# Altium PCB PCB1.PcbDoc
Units mm, origin at the board's own origin, x right, y up, seen from the top; angles counter-clockwise.
Board outline 85.3 x 54.3 mm, 2 copper layers (Top Layer, Bottom Layer), stack 1.82 mm thick; 44 components, 25 nets, 99 pads, 5 vias.
Unrouted connection lines stored in the file: 8.
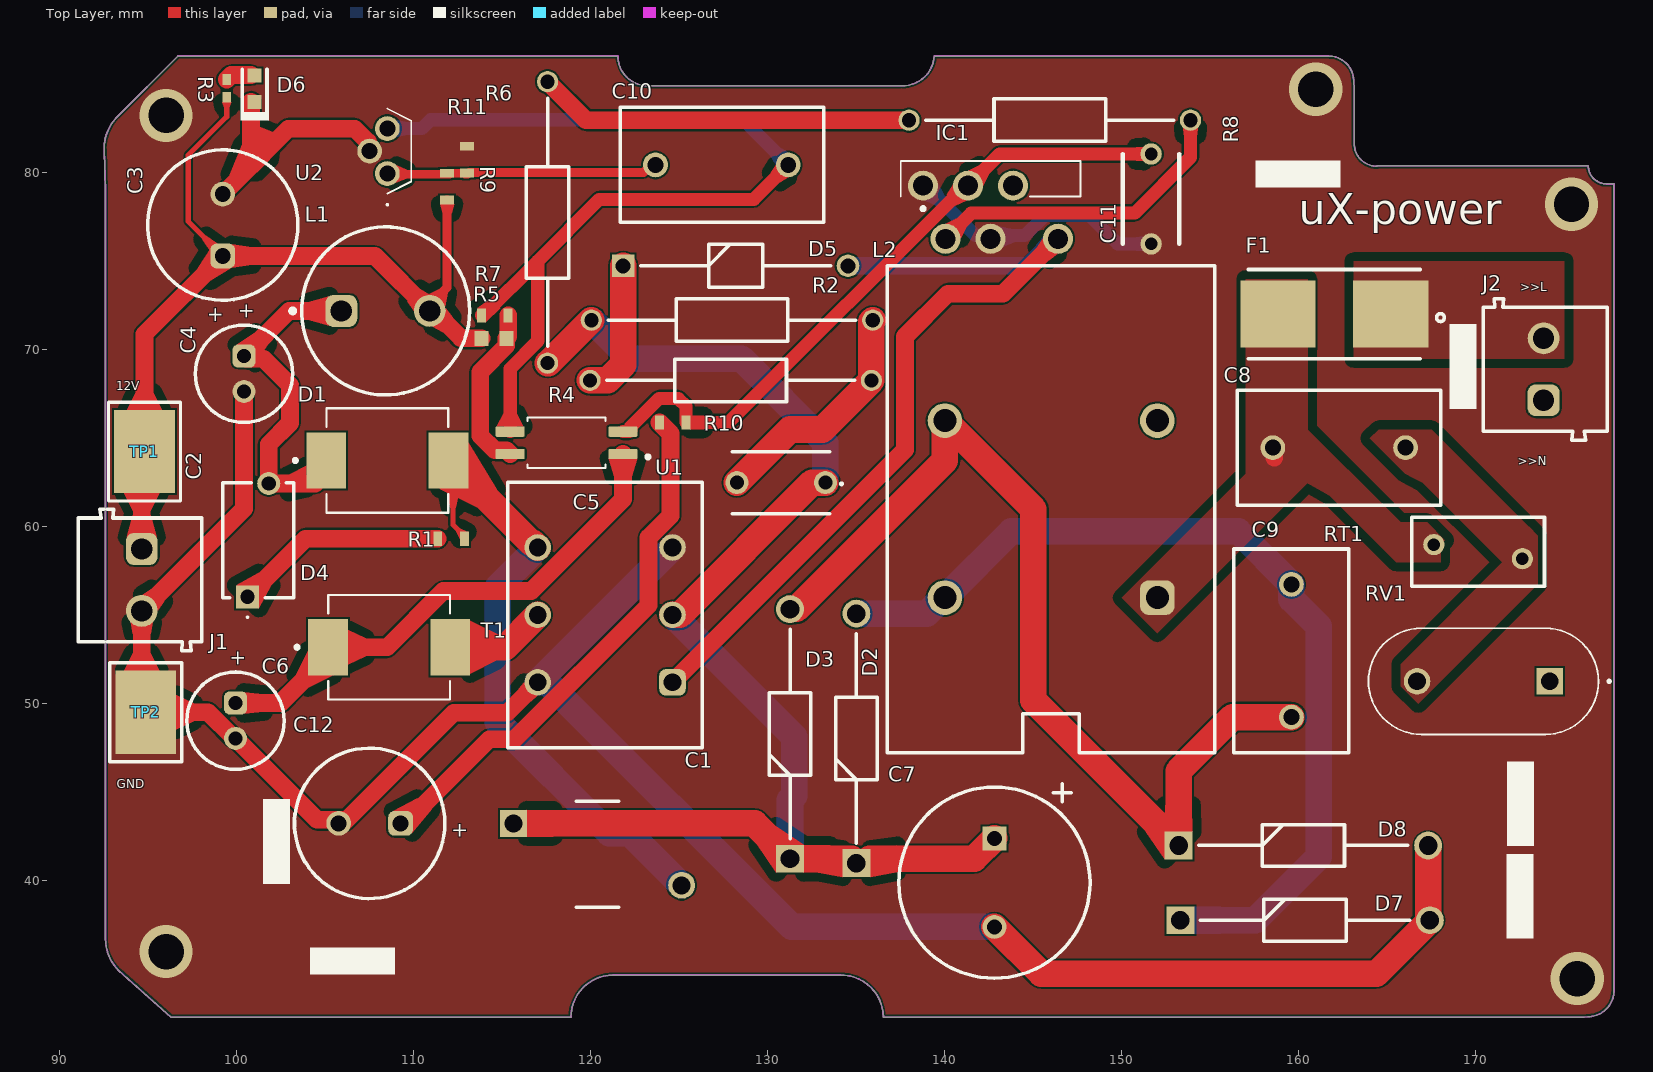
[diagram p0: Top Layer view]
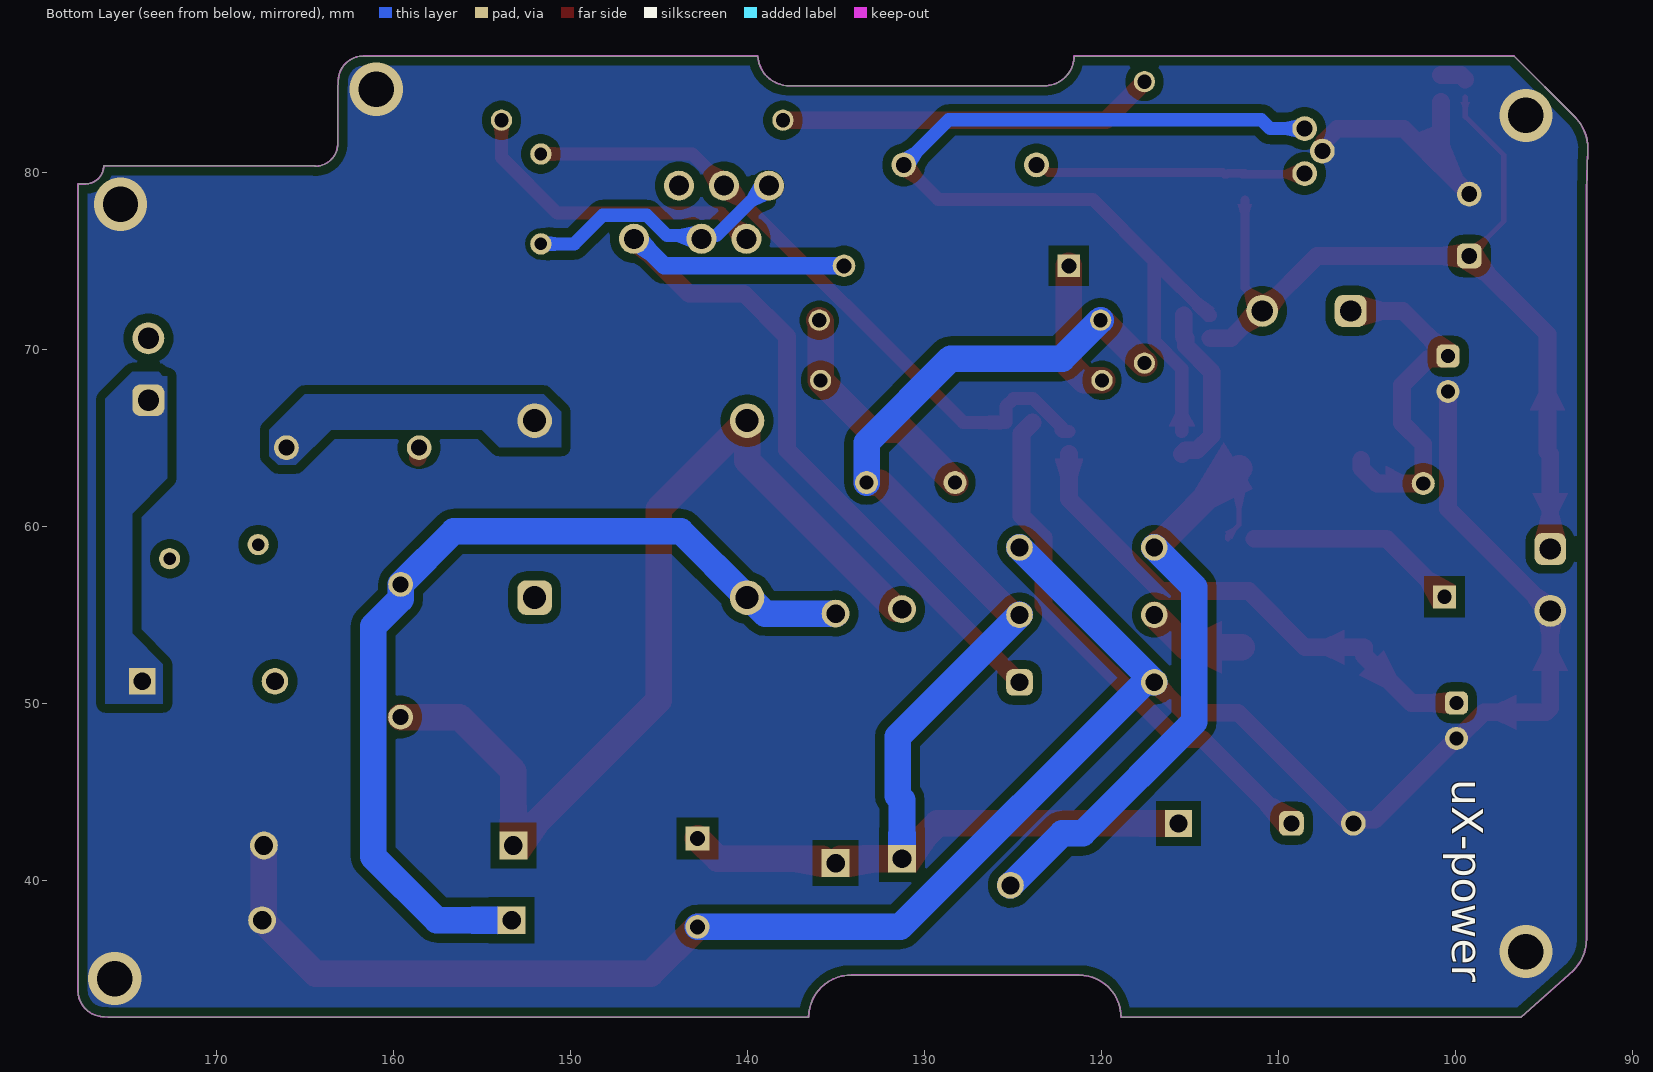
[diagram p1: Bottom Layer view, seen from below]
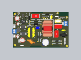
[diagram p2: 3D render of the assembled board from above, using the file's embedded part models]

## Layer stack, top to bottom
Top Solder: solder mask 0.0102, Solder Resist, Dk 3.5
Top Layer: signal copper 0.5
Dielectric 2: core 0.25, Composite dielectric, Dk 4.5
Dielectric 1: core 0.32, Composite dielectric, Dk 4.5
Dielectric 3: core 0.25, Composite dielectric, Dk 4.5
Bottom Layer: signal copper 0.5
Bottom Solder: solder mask 0.0102, Solder Resist, Dk 3.5

## Board outline
118.875,32.3 cw(c121.25,32.3) 121.25,34.675 134.1,34.675 cw(c134.125,32.275) 136.525,32.3 176.1,32.3 176.325,32.325 ccw(c176.325,33.8) 177.8,33.8 177.8,79.375 177.375,79.375 cw(c177.375,80.4) 176.35,80.4 164.425,80.4 164.4,80.375 cw(c164.4,81.65) 163.125,81.65 163.125,84.75 163.1,85.175 ccw(c161.675,85.175) 161.675,86.6 139.4,86.6 cw(c137.612,86.712) 137.5,84.925 123.2,84.925 cw(c123.2,86.6) 121.525,86.6 96.675,86.6 93.244,83.169 ccw(c95.04,81.373) 92.5,81.373 92.575,78.95 92.575,36.727 ccw(c95.115,36.727) 93.319,34.931 96.275,32.3

## Design rules (kind name [scope] priority, off if disabled: settings)
Clearance BOTTOM-L2 [InNamedPolygon('NONET_L02_P014')] p1: gap=0.5 ignorepadtopadclearanceinfootprint=FALSE
Clearance TOP-L1 [InNamedPolygon('GND_L02_P014')] p2: gap=0.5 ignorepadtopadclearanceinfootprint=FALSE
Clearance [All] p3: gap=0.1 ignorepadtopadclearanceinfootprint=TRUE except(0.5: Fill-Fill Fill-Poly Fill-Region Poly-Poly Poly-Region Region-Region)
Height [All] p1: minheight=0 maxheight=50 prefheight=12.7
MinimumSolderMaskSliver [All] p1: minsoldermaskwidth=0.005
PlaneClearance [All] p1: clearance=0.15
PolygonConnect [All] p1: connectstyle=Direct reliefconductorwidth=0.254 reliefentries=4 polygonreliefangle="90 Angle" airgapwidth=0.254
RoutingVias [All] p1: holewidth=0.711 width=1.27 viastyle="Through Hole" minholewidth=0.711 minwidth=1.27 maxholewidth=0.711 maxwidth=1.27
SilkToSilkClearance [All] p1: silktosilkclearance=0.05
SilkToSolderMaskClearance [IsPad] p1: minsilkscreentomaskgap=0.05 clearancetoexposedcopper=TRUE
SolderMaskExpansion [All] p1: expansion=0.102 istentingtop=FALSE
Width [InNet('No Net')] p1: maxlimit=2 minlimit=1 preferedwidth=1.25
25 further rules are at their usual default settings.

## Components (designator, comment, footprint, x,y, rotation, side; value= is the part's Value field where it differs from the comment)
C1 "c270.22nf-250VAC" 440LT22R 115.625,43.25 r0 top
C2 "27pF1KV" S270K25SL0N63L6R 100.6,56.05 r90 top
C3 "180µF" WCAP-PTG5_D8H8 99.2,77.05 r270 top
C4 "22uF" WCAP-ATG8_D5H11 100.4,68.65 r90 top
C5 "FG26C0G2J391JNT06" CAPACITOR_CERAMIC 130.75,62.5 r180 top
C6 "22uF" WCAP-ATG8_D5H11 99.925,49.05 r90 top
C7 "UBT1H101MPD1TD" BT_1000X1250 142.8,39.9 r270 top value=100uF
C8 "15nF" WCAP-FTX2_L11W6H10 162.275,64.475 r180 top
C9 "15nF" WCAP-FTX2_L11W6H10 159.575,53 r90 top
C10 "15nF" WCAP-FTX2_L11W6H10 127.4,80.45 r180 top
C11 "0.1 μF, 50 V, Ceramic, X7R" C322 151.65,78.525 r90 top
C12 "180µF" WCAP-PTG5_D8H8 107.5,43.25 r0 top
D1 "diode shotcky" DIOM7959X265N 108.5,63.75 r0 top
D2 "1N4006-E3_54" DIOAD1405W86L465D235 135,41 r90 top
D3 "1N4006-E3_54" DIOAD1405W86L465D235 131.25,41.25 r90 top
D4 "diode shotcky" DIOM7959X265N 108.6,53.2 r0 top
D5 "RMPG06K-E3_54" DIOAD1271W66L305D242 121.825,74.75 r0 top
D6 "LTST-C190CKT" LED_LTST-C190_Red 101,84.75 r270 top value=Red
D7 "1N4006-E3_54" DIOAD1405W86L465D235 153.3,37.775 r0 top
D8 "1N4006-E3_54" DIOAD1405W86L465D235 153.2,42 r0 top
F1 "fuse tht" FUSE_0154004.DR 162,72.025 r180 top
IC1 "TOP254EN" TOP265EG 138.77,79.275 r0 top
J1 "691101710002" 691103110002 94.525,57 r270 top
J2 "691101710002" 691103110002 173.925,68.9 r90 top
L1 "3900µH, 0.18A" INDUCTOR_TH 108.4,72.2 r0 top
L2 "39mH" "WE-CMB_TYPE L_L27.5W18.5H33" 146,61 r90 top
R1 "ERA-3ARW103V" RES_0603 112.1,59.325 r0 top value=10.0k
R2 "0.15Ω" RESAD1590W60L630D240 135.925,71.675 r180 top
R3 "CRCW0402510RJNED" 0402L 99.425,84.775 r270 top value=1k
R4 "0.15Ω" RESAD1590W60L630D240 119.95,68.275 r0 top
R5 "ERA-3ARW103V" 0603L 114.525,70.65 r0 top value=10.0k
R6 "0.15Ω" RESAD1590W60L630D240 117.55,85.15 r270 top
R7 "ERA-3ARW103V" RES_0603 114.575,71.95 r180 top value=10.0k
R8 "0.15Ω" RESAD1590W60L630D240 153.875,82.975 r180 top
R9 "ERA-3ARW103V" RES_0603 111.875,79.225 r270 top value=10.0k
R10 "ERA-3ARW103V" RES_0603 124.625,65.9 r180 top value=10.0k
R11 "ERA-3ARW103V" RES_0603 113,80.75 r270 top value=10.0k
RT1 "B57211P0120M301" B57211P0***M3*1 174.175,51.275 r180 top
RV1 "130VAC, 170VDC" VARISTOR 170.125,58.6 r180 top
T1 "85-265Vin, 5Vout" TRANSFORMER_E22 120.8,55.025 r90 top
TP1 "5016" Testpoint_Keystone_Compact 94.775,64.25 r90 top value=SMT
TP2 "5016" Testpoint_Keystone_Compact 94.85,49.525 r270 top value=SMT
U1 "TCMT1100" SOIC127P700X230-4N 118.625,64.75 r180 top
U2 "TL431ILP" TL431CLP 108.5,79.96 r270 top

## Footprints (in the part's own frame and the unit in brackets; to place one, negate y for a bottom-side part, rotate by r counter-clockwise, add the part's x,y. Pads: shape width x height; smd on the part's side, far side on the other; paste and mask are expansions set on the pad)
0402L [mm]
  rect 0.6x0.5 smd: 1(-0.5,0) 2(0.5,0)
  body extent -0.55,-0.3 0.55,0.3, height 0.6
440LT22R [mm]
  rect 1.519x1.519 hole 1.013: 1(0,0)
  round 1.519 hole 1.013: 2(9.5,-3.5)
  silkscreen extent 3.55,-4.75 5.95,1.25, body extent -1.55,-8.4 11.23,4.37, height 11.7
0603L [mm]
  rect 0.8x0.85 smd: 1(-0.7,0) 2(0.7,0)
  body extent -0.87,-0.47 0.87,0.47, height 1
691103110002 [mm] "3,50mm - modular - blue - Horizontal wire entry - Pressure clamp - 8,4mm height - 02p"
  rrect50% 1.8x1.8 hole 1.2: 1(-1.75,0.1)
  round 1.8 hole 1.2: 2(1.75,0.1)
  silkscreen extent -4,-3.5 4,3.5, body extent -4,-3.5 4,3.5, height 8.45
B57211P0***M3*1 [mm]
  rect 1.5x1.5 hole 1: 1(0,0)
  round 1.5 hole 1: 2(7.5,0)
  silkscreen extent -3.4,-3 10.25,3, body extent -2.6,-3 10.1,3, height 16.65
BT_1000X1250 [mm]
  rect 1.35x1.35 hole 0.85 paste+0: 1(-2.5,0)
  round 1.35 hole 0.85 paste+0: 2(2.5,0)
  silkscreen extent -5.58,-5.4 5.4,5.4, body extent -5.36,-5.39 5.39,5.39, height 14.51
C322 [mm]
  round 1.21 hole 0.71: 1(-2.54,0) 2(2.54,0)
  silkscreen extent -2.54,-1.59 2.54,1.59, body extent -2.79,-1.6 2.79,1.59, height 6.53
CAPACITOR_CERAMIC [mm]
  round 1.3 hole 0.8: 1(-2.5,0) 2(2.5,0)
  silkscreen extent -3.44,-1.75 2.75,1.75, body extent -10,-3.38 10,3.38, height 5.8
DIOAD1271W66L305D242 [mm]
  rect 1.275x1.275 / inner round 1.275 / far side rect 1.275x1.275 hole 0.85: 1(0,0)
  round 1.275 hole 0.85: 2(12.7,0)
  silkscreen extent 0.99,-1.21 11.71,1.21, body extent -10,-3.38 10,3.38, height 5.8
DIOAD1405W86L465D235 [mm]
  rect 1.575x1.575 / inner round 1.575 / far side rect 1.575x1.575 hole 1.05: 1(0,0)
  round 1.575 hole 1.05: 2(14.1,0)
  silkscreen extent 1.14,-1.17 12.96,1.17, body extent -10,-3.38 10,3.38, height 5.8
DIOM7959X265N [mm]
  rect 2.25x3.18 smd: A(3.455,0) C(-3.455,0)
  silkscreen extent -5.3,-2.95 3.44,2.95, body extent -3.98,-2.95 3.98,2.95, height 1.2
FUSE_0154004.DR [mm]
  rect 4.24x3.81 smd: 1(-3.19,0) 2(3.19,0)
  silkscreen extent -6.22,-2.51 4.86,2.51, body extent -4.99,-3.12 4.74,1.91, height 3.81
INDUCTOR_TH [mm] "Radial Leaded Wire Wound Inductor, body diameter 9.5mm"
  rrect50% 1.8x1.8 hole 1.2: 1(-2.5,0)
  round 1.8 hole 1.2: 2(2.5,0)
  silkscreen extent -5.37,-4.75 4.75,4.75, body extent -4.1,-4.1 4.1,4.1, height 7.75
LED_LTST-C190_Red [mm]
  rect 0.8x0.8 smd: 1(-0.75,0) 2(0.75,0)
  silkscreen extent -1.1,-0.8 1.8,0.8, body extent -0.85,-0.45 0.85,0.45, height 0.9
RES_0603 [mm] "Thick Film Resistors, SMT, body size 1.6x0.8mm"
  rect 0.5x0.8 smd: 1(-0.75,0) 2(0.75,0)
  body extent -0.8,-0.4 0.8,0.4, height 0.45
RESAD1590W60L630D240 [mm]
  round 1.2 hole 0.8: 1(0,0) 2(15.9,0)
  silkscreen extent 0.95,-1.2 14.95,1.2, body extent -0.3,-1.29 16.2,1.29, height 2.6
S270K25SL0N63L6R [mm]
  rect 1.3x1.3 hole 0.8: 1(0,0)
  round 1.3 hole 0.8: 2(6.4,-1.2)
  silkscreen extent -1.2,-2.6 6.45,1.4, body extent -0.3,-2.6 6.7,1.4, height 9.6
SOIC127P700X230-4N [mm]
  rrect25% 1.64x0.59 smd: 1(-3.185,0.635) 2(-3.185,-0.635) 3(3.185,-0.635) 4(3.185,0.635)
  silkscreen extent -4.7,-1.43 2.2,1.43
Testpoint_Keystone_Compact [mil]
  rect 185x135 smd: 1(0,0)
  silkscreen extent -110,-80 110,80, body extent -75,-56 75,56, height 91
TL431CLP [mm]
  round 1.4 hole 0.9: 1(0,0) 2(-1.27,-1) 3(-2.54,0)
  silkscreen extent -3.67,-0.05 1.81,1.35, body extent -3.68,-2.29 1.14,1.39, height 12.93
TOP265EG [mm]
  round 1.7 hole 1.13: 1(0,0) 2(1.27,-3) 3(2.54,0) 4(3.81,-3) 5(5.08,0) 7(7.62,-3)
  silkscreen extent -1.27,-1.4 8.89,1.4, body extent -1.27,-3.46 8.89,1.4, height 8.35
TRANSFORMER_E22 [mm] "Off-Line Transformer, size E13/7/4, body 15x11mm"
  rrect50% 1.5x1.5 hole 1: 1(-3.81,-3.81)
  round 1.5 hole 1: 2(0,-3.81) 3(3.81,-3.81) 4(3.81,3.81) 5(0,3.81) 6(-3.81,3.81)
  silkscreen extent -7.5,-5.5 7.5,5.5, body extent -7.5,-5.5 7.5,5.5, height 16.85
VARISTOR [mm] "Disk Varistor, Diameter 7.5mm, Width 3.9mm"
  round 1.2 hole 0.7: 1(-2.5,0.4) 2(2.5,-0.4)
  silkscreen extent -3.75,-1.95 3.75,1.95, body extent -3,-1.45 3,1.45, height 8.14
WCAP-ATG8_D5H11 [mm] "Aluminum Electrolytic Capacitors, 5x11mm"
  rrect50% 1.3x1.3 hole 0.8: 1(1,0)
  round 1.3 hole 0.8: 2(-1,0)
  silkscreen extent -2.75,-2.75 2.75,2.75, body extent -2.49,-2.5 2.5,2.5, height 11.31
WCAP-FTX2_L11W6H10 [mm] "Film Capacitors, 11x6x10mm"
  round 1.4 hole 0.9: 1(-3.75,0) 2(3.75,0)
  silkscreen extent -5.75,-3.25 5.75,3.25, body extent -5.5,-3 5.5,3, height 10.05
WCAP-PTG5_D8H8 [mm] "Aluminum Polymer Capacitors, 8x8mm"
  rrect50% 1.4x1.4 hole 0.9: 1(1.75,0)
  round 1.4 hole 0.9: 2(-1.75,0)
  silkscreen extent -4.25,-4.25 4.25,4.25, body extent -3.99,-3.99 3.97,3.98, height 8.31
"WE-CMB_TYPE L_L27.5W18.5H33" [mm] "Common Mode Power Line Choke, 4-Leads, body 27.5x18.5mm"
  rrect50% 1.95x1.95 hole 1.3: 1(-5,-6)
  round 1.95 hole 1.3: 2(5,-6) 3(5,6) 4(-5,6)
  silkscreen extent -13.75,-9.25 13.75,9.25, body extent -12.4,-8.5 12.4,8.53, height 28.88

## Part data
C1: "Capacitor", Arrow Part Number=440LT22-R, Manufacturer_Name=Vishay, Mouser Part Number=75-440LT22-R, Arrow Price/Stock=https://www.arrow.com/en/products/440lt22-r/vishay, Datasheet Link=https://componentsearchengine.com/Datasheets/2/440LT22-R.pdf, Height=11.6mm, Manufacturer_Part_Number=440LT22-R, Mouser Price/Stock=https://www.mouser.co.uk/ProductDetail/Vishay/440LT22-R?qs=SlHcmTmoTud7%252BtFxR7La5w%3D%3D
C2: "Capacitor", Arrow Part Number=S270K25SL0N63L6R, Manufacturer_Name=Vishay, Mouser Part Number=594-S270K25SL0N63L6R, Arrow Price/Stock=https://www.arrow.com/en/products/s270k25sl0n63l6r/vishay, Datasheet Link=https://www.vishay.com/docs/28515/sseries.pdf, Height=9.5mm, Manufacturer_Part_Number=S270K25SL0N63L6R, Mouser Price/Stock=https://www.mouser.co.uk/ProductDetail/Vishay-BC-Components/S270K25SL0N63L6R?qs=a%252BZougrH3ejvblLoEtzSMA%3D%3D
C3 C12: library part "100uf 16v", "WCAP-PTG5 Aluminum Polymer Capacitor, Radial THT, D8 x H8mm, 180µF, 6.3V", Capacitance Tolerance=+/-20%, Leakage Current=226.8µA, Manufacturer="Wurth Elektronik", Manufacturer Part Number=870025174001, Operating Temperature Max=105°C, Operating Temperature Min=-55°C, Rated Voltage (DC)=6.3V, Ripple Current=5100mA, Capacitance=180µF, Category="Aluminum Polymer Capacitors", ComponentLink1Description="Website Link", ComponentLink1URL=https://www.we-online.com/redexpert/article/870025174001?ad, ComponentLink2Description="Datasheet Link", ComponentLink2URL=https://www.we-online.com/redexpert/spec/870025174001?ad, Diameter=8mm, Dissipation Factor=7%, Endurance=2000h, ESR=21mΩ, Height=8mm, Match Code=WCAP-PTG5, Mount="Through Hole", Packaging="Ammo Pack", Technical Reference=PTEE080181M6R3DSPA7B000
C4 C6: library part "1800uf 25v", "WCAP-ATG8 Aluminum Electrolytic Capacitor, Radial, THT, D5 x H11mm, 22uF, 10V", Capacitance Tolerance=+/-20%, Leakage Current=3uA, Manufacturer="Wurth Elektronik", Manufacturer Part Number=860010272001, Operating Temperature Max=85°C, Operating Temperature Min=-40°C, Rated Voltage (DC)=10V, Ripple Current=66mA, Capacitance=22uF, Category="Aluminum Electrolytic Capacitors", ComponentLink1Description="Website Link", ComponentLink1URL=https://www.we-online.com/redexpert/article/860010272001?ad, ComponentLink2Description="Datasheet Link", ComponentLink2URL=https://www.we-online.com/redexpert/spec/860010272001?ad, Diameter=5mm, Dissipation Factor=19%, Endurance=2000h, Height=11mm, Match Code=WCAP-ATG8, Mount="Through Hole", Packaging="Ammo Pack", Technical Reference=ATBC110220M010DSPA3B000
C5: library part "1.5 nF, 630 V, High Voltage Ceramic", "MLCC with Dipped Radial Lead, Capacitance=390pF, LxWxT:5.5x6x3.5mm, Lead pitch:5mm", Manufacturer_Name=TDK, Mouser Part Number=810-FG26C0G2J391JNT6, Datasheet Link=https://product.tdk.com/system/files/dam/doc/product/capacitor/ceramic/lead-mlcc/catalog/leadmlcc_halogenfree_fg_en.pdf, Geometry.Height=6mm, Manufacturer_Part_Number=FG26C0G2J391JNT06, Mouser Price/Stock=https://www.mouser.co.uk/ProductDetail/TDK/FG26C0G2J391JNT06?qs=icAhCOE9TbgfNHYPSEYhhw%3D%3D
C7: library part CMP-0009918-2, "CAP, AL, 100 uF, 50 V, +/- 20%, TH", Cap_Case=10x12.5mm, Manufacturer=Nichicon, Supplier Part Number 1=493-4508-1-ND, Tolerance_%=20%, Value1=Unknown, Value2=50V, ValueDisplayed=100uF, AEC Category=Q200, AEC Grade=N/A, AEC Qualified=N, Cap_F=100µF, ComponentLink1Description="Datasheet link", ComponentLink1URL=http://nichicon-us.com/english/products/pdfs/e-ubt.pdf, CompType=Capacitor, IRMS_A=5.55dA, LatestRevisionDate=2017-03-09, MountType=TH, PackageReference="Cap, 10x12.5mm", PartNumber=UBT1H101MPD1TD, Polarized=Y, Publisher="Texas Instruments", RoHS=Y, Series=BT, SizeArea_mm2=100, SizeAreaWB_mm2=144, SizeX_mm=10, SizeY_mm=10, SizeZ_mm=14.5, Supplier 1=Digi-Key, Supplier 2=Newark, Supplier 3=Mouser, Supplier Part Number 2=26T5990, Supplier Part Number 3=647-UBT1H101MPD1TD, TaMax_C=125°C, TaMin_C=-40°C, Technology=AL, U/M=EA, VDC_V=50V
C8 C9 C10: library part "100nF275V iNPUT choke", "WCAP-FTX2 Film Capacitor, THT, L11 x W6 x H10mm, 15nF, 275V", Capacitance Tolerance=+/-10%, Insulation Resistance=30000MΩ, Manufacturer="Wurth Elektronik", Manufacturer Part Number=890324022007, Operating Temperature Max=105°C, Operating Temperature Min=-40°C, Rate of Voltage Rise=500V/µs, Rated Voltage (AC)=275V, Capacitance=15nF, Category="Film Capacitors", ComponentLink1Description="Website Link", ComponentLink1URL=https://www.we-online.com/redexpert/article/890324022007?ad, ComponentLink2Description="Datasheet Link", ComponentLink2URL=https://www.we-online.com/redexpert/spec/890324022007?ad, Dissipation Factor @1kHz=0.1%, Dissipation Factor @10kHz=0.1%, Dissipation Factor @100kHz=0.5%, Height=10mm, Length=11mm, Match Code=WCAP-FTX2, Mount="Through Hole", Packaging=Carton, Pitch=7.5mm, Technical Reference=MX2P075153K275ASPB15000, Width=6mm
C11: "Capacitor", Arrow Part Number=C322C104K5R5TA, Manufacturer_Name=KEMET, Mouser Part Number=80-C322C104K5R, Arrow Price/Stock=https://www.arrow.com/en/products/c322c104k5r5ta/kemet-corporation?region=nac, Datasheet Link=https://content.kemet.com/datasheets/KEM_C1050_GOLDMAX_X7R.pdf, Height=6.6mm, Manufacturer_Part_Number=C322C104K5R5TA, Mouser Price/Stock=https://www.mouser.co.uk/ProductDetail/KEMET/C322C104K5R5TA?qs=XvIqZs20p47gvrtGJkxvnw%3D%3D
D1 D4: "Diode Schottky 40 V 3A Surface Mount SMC (DO-214AB)", Package="SMC-2 ON Semiconductor", Availability="In Stock", Check_prices=https://www.snapeda.com/parts/SS34/Onsemi/view-part/?ref=eda, MF="ON Semiconductor", MP=SS34, Price=None, SnapEDA_Link=https://www.snapeda.com/parts/SS34/Onsemi/view-part/?ref=snap
D2 D3 D7 D8: library part 1N4006-E3_54_1, "Vishay 1N4006-E3/54 Diode, 800V 1A, 2-Pin DO-204AL", Manufacturer_Name=Vishay, Manufacturer_Part_Number=1N4006-E3/54, Mouser Part Number=625-1N4006-E3/54, Datasheet Link=https://componentsearchengine.com/Datasheets/2/1N4006-E3_54.pdf, Mouser Price/Stock=https://www.mouser.co.uk/ProductDetail/Vishay-General-Semiconductor/1N4006-E3-54?qs=N4vtoAxH%2FSrsleYv417wqA%3D%3D
D5: "Rectifiers 800 Volt 1.0A 250ns 40 Amp IFSM", Manufacturer_Name=Vishay, Manufacturer_Part_Number=RMPG06K-E3/54, Mouser Part Number=625-RMPG06K-E3, Datasheet Link=https://componentsearchengine.com/Datasheets/1/RMPG06K-E3_54.pdf, Mouser Price/Stock=https://www.mouser.co.uk/ProductDetail/Vishay-General-Semiconductor/RMPG06K-E3-54?qs=lBalI7KQBwrCsBsrBsMpUw%3D%3D
D6: "LED, Red, SMD", Color=red, Manufacturer=Lite-On, Power_TotalModule=0.0625, Supplier Part Number 1=160-1181-1-ND, Value1=0.0625W, Value2=2V, ComponentLink1Description="Datasheet link", ComponentLink1URL=http://optoelectronics.liteon.com/en-us/api/DwonloadFileHandler.ashx?txtSpecNo=DS-22-98-0009&txtPartNo=LTST-C190CKT, CompType=LED, Io_A=0.02, LatestRevisionDate=2015-06-04, MountType=SMT, PackageReference="Red LED, 1.6x0.8x0.8mm", PartNumber=LTST-C190CKT, Published=2008-07-11, Publisher="Texas Instruments", RoHS=Y, Supplier 1=Digi-Key, Supplier 2=Mouser, Supplier Part Number 2=859-LTST-C190CKT, SymbolVersion=2008-12-08, TJmax_C=85, Type=?, U/M=EA, Vf_V=2
F1: "2-Pin Radial Fuse", Package=None, Availability=Unavailable, MP=0697H9200-02, Price=None
IC1: "Integrated Circuit", Manufacturer_Name="Power Integrations", Mouser Part Number=869-TOP254EN, Datasheet Link=https://datasheet.datasheetarchive.com/originals/dk/DKDS-24/462824.pdf, Height=8.25mm, Manufacturer_Part_Number=TOP254EN, Mouser Price/Stock=https://www.mouser.co.uk/ProductDetail/Power-Integrations/TOP254EN?qs=Xb8IjHhkxj4nAN0FapBmAQ%3D%3D
J1 J2: "WR-TBL Series 101 Horizontal Entry Modular, THT, pitch 5mm, 2p", Manufacturer="Wurth Elektronik", Operating Temperature Max=105°C, Operating Temperature Min=-40°C, Rated Current=16A, Working Voltage=250V, Application="Pressure Clamp", Category="Terminal Blocks", ComponentLink1Description="Website Link", ComponentLink1URL=https://www.we-online.com/redexpert/article/691101710002?ad, ComponentLink2Description="Datasheet Link", ComponentLink2URL=https://www.we-online.com/redexpert/spec/691101710002?ad, Manufacturer Part Number=691101710002, Match Code=WR-TBL, Modularity=Yes, Mount="Through Hole", Number of Pins=2, Number of Rows=1, Orientation=Horizontal, Packaging=Box, Pitch=5mm
L1: library part 744730392, "WE-TI Radial Leaded Wire Wound Inductor, size 8075, 3900µH, 0.18A, 12Ω", Case/Size Code=8075, DC Resistance=9.5Ω, DC Resistance Max=12Ω, Inductance=3900µH, Manufacturer="Wurth Elektronik", Operating Temperature Max=125°C, Operating Temperature Min=-40°C, Rated Current=0.18A, Saturation Current=0.2A, Self Resonant Frequency=1.04MHz, Category="Unshielded Power Inductors", ComponentLink1Description="Website Link", ComponentLink1URL=https://www.we-online.com/redexpert/article/744730392?ad, ComponentLink2Description="Datasheet Link", ComponentLink2URL=https://www.we-online.com/redexpert/spec/744730392?ad, Diameter=9.5mm, Height=8mm, Manufacturer Part Number=744730392, Match Code=WE-TI, Mount="Through Hole", Packaging=Tray
L2: library part 744821039, "WE-CMB Common Mode Power Line Choke, THT, Type XS, 39mH, 0.3A, 3000mOhm", Case/Size Code="Type XS", DC Resistance Max=3000mOhm, Insulation Test Voltage=1500VAC, Manufacturer="Wurth Elektronik", Operating Temperature Max=125°C, Operating Temperature Min=-40°C, Rated Current=0.3A, Rated Voltage (AC)=250V, Category="Common Mode Chokes", ComponentLink1Description="Website Link", ComponentLink1URL=https://www.we-online.com/redexpert/article/744821039?ad, ComponentLink2Description="Datasheet Link", ComponentLink2URL=https://www.we-online.com/redexpert/spec/744821039?ad, Height=18mm, Inductance=39mH, Length=15mm, Manufacturer Part Number=744821039, Match Code=WE-CMB, Material=MnZn, Mount="Through Hole", Packaging=Carton, Width=7.5mm
R1 R7 R9 R10 R11: library part REStht, "RES, 10.0 k, 0.05%, 0.1 W, AEC-Q200 Grade 0, 0603", Manufacturer=Panasonic, Power_W=100mW, TempCo="10 ppm/C", Tolerance_%=0.05%, Value2=0.1W, Value_Code=10k0, ValueDisplayed=10.0k, AEC Category=Q200, AEC Grade=0, AEC Qualified=Y, ComponentLink1Description="Datasheet link", ComponentLink1URL=https://industrial.panasonic.com/cdbs/www-data/pdf/RDM0000/AOA0000C307.pdf, CompType=Resistor, MountType=SMT, PackageReference=0603, PartNumber=ERA-3ARW103V, Res_ohm=10k, RoHS=Y, SizeArea_mm2=1.28, SizeAreaWB_mm2=4.68, SizeX_mm=1.6, SizeY_mm=0.8, SizeZ_mm=1, Technology="Thin Film", Value1=0.05%
R2 R4 R6 R8: library part RES-THT, "WRIS-KSKE Thick Film Resistor, SMT, size 0402, 0.125W, 0.15Ω, +/-1%", Case/Size Code=0402, Manufacturer="Wurth Elektronik", Manufacturer Part Number=560050310002, Operating Temperature Max=155°C, Operating Temperature Min=-55°C, Rated Current=0.91A, Rated Power=0.125W, Resistance Tolerance=+/-1%, Temperature Coefficient of Resistance=300ppm/°C, Category="Thick Film Resistors", ComponentLink1Description="Website Link", ComponentLink1URL=https://www.we-online.com/redexpert/article/560050310002?ad, ComponentLink2Description="Datasheet Link", ComponentLink2URL=https://www.we-online.com/redexpert/spec/560050310002?ad, Height=0.35mm, Length=1mm, Match Code=WRIS-KSKE, Mount="Surface Mount", Packaging="Tape and Reel", Resistance=0.15Ω, Technical Reference=KE0402R150F108IAATH0000, Width=0.5mm
R3: "RES, 510, 5%, 0.063 W, 0402", Manufacturer=Vishay-Dale, Power_W=0.063, Supplier Part Number 1=541-510JCT-ND, TempCo="200 ppm/C", Tolerance_%=5, Value1=5%, Value2=0.063W, Value_Code=510R, ValueDisplayed=510, ComponentLink1Description="Datasheet link", ComponentLink1URL=http://www.vishay.com/docs/20035/dcrcwe3.pdf, CompType=Resistor, EIA_Code=E24, LatestRevisionDate=2015-05-27, MountType=SMT, PackageReference=0402, PartNumber=CRCW0402510RJNED, Published=2008-06-26, Publisher="Texas Instruments", Res_ohm=510, RoHS=Y, Supplier 1=Digi-Key, Supplier 2=Mouser, Supplier 3=Farnell, Supplier Part Number 2=71-CRCW0402J-510-E3, Supplier Part Number 3=1570682, SymbolVersion=2009-05-29, Technology="Thick Film", U/M=EA, VDC_V=50
R5: library part RES-10K-0603, "RES, 10.0 k, 0.05%, 0.1 W, AEC-Q200 Grade 0, 0603", Manufacturer=Panasonic, Power_W=100mW, TempCo="10 ppm/C", Tolerance_%=0.05%, Value2=0.1W, Value_Code=10k0, ValueDisplayed=1M, AEC Category=Q200, AEC Grade=0, AEC Qualified=Y, ComponentLink1Description="Datasheet link", ComponentLink1URL=https://industrial.panasonic.com/cdbs/www-data/pdf/RDM0000/AOA0000C307.pdf, CompType=Resistor, MountType=SMT, PackageReference=0603, PartNumber=ERA-3ARW103V, Res_ohm=10k, RoHS=Y, SizeArea_mm2=1.28, SizeAreaWB_mm2=4.68, SizeX_mm=1.6, SizeY_mm=0.8, SizeZ_mm=1, Technology="Thin Film", Value1=0.05%
RT1: "Thermistor", Manufacturer_Name=TDK, Mouser Part Number=871-B57211P0120M301, Arrow Part Number=B57211P0120M301, Arrow Price/Stock=https://www.arrow.com/en/products/b57211p0120m301/epcos-tdk, Datasheet Link=https://product.tdk.com/system/files/dam/doc/product/protection/current/ntc-limiter/data_sheet/50/db/icl_16/p11.pdf, Height=13mm, Manufacturer_Part_Number=B57211P0120M301, Mouser Price/Stock=https://www.mouser.co.uk/ProductDetail/EPCOS-TDK/B57211P0120M301?qs=t%252BrwbUv0m%252Bw8A0wWx07HMQ%3D%3D
RV1: library part 820411311, "WE-VD Disk Varistor, THT, 130VAC, 170VDC, 410pF", (Reverse) Breakdown Voltage=200V, (Reverse) Peak Pulse Current=3500A, Channel Input Capacitance=410pF, Clamping Voltage=340V, Manufacturer="Wurth Elektronik", Operating Temperature Max=85°C, Operating Temperature Min=-40°C, Operating Voltage (AC)=130V, Operating Voltage (DC)=170V, Power Dissipation=0.4W, Category="Surge Protection", ComponentLink1Description="Website Link", ComponentLink1URL=https://www.we-online.com/redexpert/article/820411311?ad, ComponentLink2Description="Datasheet Link", ComponentLink2URL=https://www.we-online.com/redexpert/spec/820411311?ad, Diameter=12.5mm, Energy Absorption=35J, Height=15.5mm, Manufacturer Part Number=820411311, Match Code=WE-VD, Mount="Through Hole", Packaging="Tape and Reel", Pitch=0.8mm, Width=4.6mm
T1: library part 749118105, "WE-UNIT Off-Line Transformer, THT, E13/7/4_Vertical, 85-265Vin, 5Vout, 3W", Case/Size Code=E13/7/4_Vertical, Inductance=2.8mH, Input Voltage=85-265VAC, Insulation Test Voltage=4000VAC, Leakage Inductance=280uH, Manufacturer="Wurth Elektronik", Operating Temperature Max=125°C, Operating Temperature Min=-40°C, Output Current=0.6A, Output Power=3W, Output Voltage=5V, Saturation Current=0.2A, Switching Frequency=132kHz, Category="Transformers For AC-DC Converter", ComponentLink1Description="Website Link", ComponentLink1URL=https://www.we-online.com/redexpert/article/749118105?ad, ComponentLink2Description="Datasheet Link", ComponentLink2URL=https://www.we-online.com/redexpert/spec/749118105?ad, Height=16.8mm, Length=15mm, Manufacturer Part Number=749118105, Match Code=WE-UNIT, Mount="Through Hole", Packaging=Tray, Turns Ratio=18.9:1, Width=11mm
TP1 TP2: "Test Point, Compact, SMT", Manufacturer=Keystone, Supplier Part Number 1=5016KCT-ND, ComponentLink1Description="Datasheet Link", ComponentLink1URL=http://www.keyelco.com/userAssets/store/files/5016.PDF, CompType="Test Point Loop", LatestRevisionDate=2015-05-13, MountType=SMT, PackageReference=Testpoint_Keystone_Compact, PartNumber=5016, Publisher="Texas Instruments", RoHS=Y, Supplier 1=Digi-Key, SymbolVersion=2008-04-04, U/M=EA
U1: "Optoisolator Transistor Output 3750Vrms 1 Channel 4-SOP", Package="SOP-4 Vishay", Check_prices=https://www.snapeda.com/parts/TCMT1100/Vishay%20Semiconductor%20Opto%20Division/view-part/286066/?ref=eda, Digi-Key_Part_Number=TCMT1100CT-ND, DigiKey-Purchase-URL=https://snapeda.com/shop?store=DigiKey&id=286066, MF="Vishay Semiconductor", Mouser-Purchase-URL=https://snapeda.com/shop?store=Mouser&id=286066, MP=TCMT1100, SnapEDA_Link=https://www.snapeda.com/parts/TCMT1100/Vishay%20Semiconductor%20Opto%20Division/view-part/286066/?ref=snap
U2: "Ic, Tl431ilp, Tl431, Tl431a, Tl4 31b, Tl432, Tl432a, Tl432b<Nv", Package=None, Availability=Unavailable, MP=TL431ILP, Price=None

## Via types
v1: diameter 3, hole 2, Top Layer to Bottom Layer, 5 vias

## Nets (pads, with @x,y where several pads share a name; then routed paths per layer and width w, separated by ;. In a path a pad name is that pad's centre, name@x,y a point inside that pad or via, vN(x,y) a via of type N, cw(c..) or ccw(c..) an arc to the next point about the centre after c; other vN are vias at no path point)
GND: C3.2 C4.2 C6.2 C7.2 C11.1 C12.2 D6.2 D7.2 D8.2 IC1.1 IC1.4 J1.2 R11.1 T1.3 T1.6 TP2.1 U2.2 | length 151.5
  Top Layer w1: C3.2 100.8,80.4 ; C4.2 100.4,61.025 J1.2 94.625,49.75 TP2.1 98.369,49.525 99.844,48.05 C6.2 104.523,43.452 106.048,43.452 106.125,43.375 112.25,49.5 115.275,49.5 T1.6 ; D6.2@100.8,84.025 100.8,80.4 ; U2.2@107.467,81.415 107.423,81.415 107.423,81.738 106.662,82.5 102.9,82.5 100.8,80.4
  Top Layer w1.5: C7.2 145.45,34.75 164.375,34.75 D7.2 167.4,37.795 167.3,37.895 D8.2
  Bottom Layer w0.75: IC1.1 138.914,79.275 141.732,76.457 142.398,76.457 IC1.4 142.762,76.457 144.519,76.457 145.662,77.6 148.15,77.6 149.765,75.985 C11.1
  Bottom Layer w1.5: T1.3 T1.6 117.535,51.215 131.35,37.4 C7.2
  other v1: 175.725,34.475 96,36 175.4,78.225 96,83.25 160.951,84.722
NetC1_1: C1.1 C5.1 C7.1 D2.1 D3.1 R2.2 R6.2 T1.2 | length 78.9
  Top Layer w1.5: C1.1 129.25,43.25 D3.1 ; R6.2 117.6,69.25 R2.2 ; T1.2 125.025,55.025 132.5,62.5 C5.1 ; D3.1@131.287,41.25 134.75,41.25 134.962,41.037 135.552,41.037 135.764,41.25 141.65,41.25 C7.1
  Bottom Layer w1.5: R2.2 122.2,69.5 128.5,69.5 133.25,64.75 C5.1 ; T1.2 131.5,48.135 131.5,44.818 131.25,44.568 D3.1
NetC1_2: C1.2 D1.A R1.2 T1.4 | length 36.3
  Top Layer w0.3: D1.A@112.205,63.775 112.205,63.31 112.205,60.12 112.85,59.475 R1.2
  Top Layer w1.5: D1.A@112.205,63.31 112.58,62.935 112.792,62.935 116.627,59.1 116.725,59.1 T1.4
  Bottom Layer w1.5: T1.4 114.75,56.595 114.75,48.977 121.037,42.69 122.185,42.69 C1.2
NetC2_1: C2.1 R1.1 | length 12.1
  Top Layer w1: C2.1 103.875,59.325 R1.1
NetC2_2: C2.2 C4.1 D1.C L1.1 | length 20.2
  Top Layer w1: D1.C@105.295,63.775 105.295,63.31 104.435,62.45 C2.2 101.8,64.666 103,65.866 103,68 101.5,69.5 100.55,69.5 C4.1 102.95,72.2 L1.1
NetC3_1: C3.1 J1.1 L1.2 R3.2 R5.1 R9.2 TP1.1 | length 52.4
  Top Layer w0.3: C3.1 97.25,77.25 97.25,81 99.425,83.175 R3.2
  Top Layer w0.5: L1.2 110.9,72.552 111.875,73.527 R9.2
  Top Layer w1: J1.1 94.625,64.1 TP1.1 94.775,70.875 C3.1 107.8,75.3 L1.2 111.116,72.2 112.666,70.65 R5.1
NetC5_2: C5.2 R2.1 R4.2 | length 13.4
  Top Layer w1.5: C5.2 131.25,65.5 133.075,65.5 R4.2 135.85,71.6 R2.1
NetC6_1: C6.1 D4.C U1.1 | length 29.5
  Top Layer w1: C6.1 102.46,50.05 105.145,52.735 D4.C 108.491,53.2 111.666,56.375 116.625,56.375 121.81,61.56 U1.1
NetC8_1: C8.1 L2.2 RT1.2 RV1.1
NetC8_2: C8.2 F1.2 L2.1 RV1.2 | length 0.7
  Top Layer w1: C8.2 158.602,64.398 C8.2@158.602,63.898
  Bottom Layer w1: C8.2 C8.2@158.602,64.398
NetC9_1: C9.1 D3.2 D8.1 L2.3 | length 55.8
  Top Layer w1.5: D3.2 131.264,55.364 131.614,55.364 140,63.75 L2.3 145,61 145,50.2 D8.1 153.2,46.2 156.25,49.25 C9.1
NetC9_2: C9.2 D2.2 D7.1 L2.4 | length 53.2
  Top Layer w1.5: L2.4@139.878,56 L2.4
  Bottom Layer w1.5: D2.2 138.978,55.1 139.878,56 L2.4 143.75,59.75 156.575,59.75 C9.2 159.575,55.925 161.125,54.375 161.125,41.375 157.525,37.775 D7.1
NetC10_1: C10.1 R7.2 U1.3 U2.3 | length 55
  Top Layer w0.75: R7.2 113.925,71.95 116.988,75.013 120.475,78.5 129.2,78.5 C10.1 ; U1.3 115.44,68.94 117,70.5 117,75
  Bottom Layer w0.75: U2.3 110.445,82.5 110.945,83 128.6,83 C10.1
NetC10_2: C10.2 R9.1 R11.2 U2.1 | length 15.4
  Top Layer w0.5: U2.1 108.542,79.918 R9.1@112.025,79.918 ; R9.1 112.825,79.975 112.875,79.925 R11.2@113.025,79.925 ; R11.2@113.125,80.025 122.981,80.025 123.406,80.45 C10.2
NetC11_2: C11.2 IC1.3 R10.1 U1.2 | length 38.1
  Top Layer w0.75: U1.2 122.175,65.385 122.255,65.465 122.255,65.659 123.846,67.25 124.936,67.25 125.375,66.811 R10.1 127.791,65.9 141.166,79.275 IC1.3 143.1,81.065 C11.2
NetC12_1: C12.1 R10.2 | length 29.8
  Top Layer w1: C12.1@109.625,43.375 114.25,48 115.684,48 123.26,55.576 123.26,59.394 124.5,60.634 124.5,65.275 R10.2
NetD4_A: D4.A T1.5 | length 5.7
  Top Layer w1.5: D4.A 115.165,53.2 T1.5
NetD5_1: D5.1 R4.1 | length 7.8
  Top Layer w1.5: R4.1 120.946,68.275 121.825,69.154 D5.1
NetD5_2: D5.2 IC1.7 T1.1 | length 48.4
  Top Layer w1: T1.1 137.75,64.355 137.75,70.75 140.171,73.171 143.286,73.171 IC1.7
  Bottom Layer w1: D5.2 144.676,74.75 146.201,76.275 IC1.7
NetD6_1: D6.1 R3.1 | length 1.5
  Top Layer w1: R3.1 99.675,85.525 D6.1@100.8,85.525
NetF1_1: F1.1 J2.2
NetIC1_2: IC1.2 R8.1 | length 17.8
  Top Layer w0.75: IC1.2 141.493,77.728 150.728,77.728 153.875,80.875 R8.1
NetJ2_1: J2.1 RT1.1
NetR5_2: R5.2 R7.1 U1.4 | length 9.6
  Top Layer w1: R7.1 115.325,70.75 R5.2 115.225,70.225 113.75,68.75 113.75,65.155 114.585,64.32 115.235,64.32 U1.4
NetR6_1: R6.1 R8.2 | length 21.3
  Top Layer w1: R6.1 119.725,82.975 R8.2
pads on no net: IC1.5

## Polygon pours and split planes (outlines as drawn)
GND on Top Layer "GND_L01_P013" (solid, remove dead copper, pour order 13): 118.875,32.3 cw(c121.25,32.3) 121.25,34.675 134.1,34.675 cw(c134.125,32.275) 136.525,32.3 176.1,32.3 176.325,32.325 ccw(c176.325,33.8) 177.8,33.8 177.8,79.375 177.375,79.375 cw(c177.375,80.4) 176.35,80.4 164.425,80.4 164.4,80.375 cw(c164.4,81.65) 163.125,81.65 163.125,84.75 163.1,85.175 ccw(c161.675,85.175) 161.675,86.6 139.4,86.6 cw(c137.612,86.712) 137.5,84.925 123.2,84.925 cw(c123.2,86.6) 121.525,86.6 96.675,86.6 93.244,83.169 ccw(c95.04,81.373) 92.5,81.373 92.575,78.95 92.575,36.727 ccw(c95.115,36.727) 93.319,34.931 96.275,32.3
NetF1_1 on Top Layer "TOP_LAYER_NONET_P-001" (solid, pour order 0): 163.1,75 163.1,69.5 175,69.5 175,75
NetC8_1 on Top Layer "TOP_LAYER_NONET_P-001" (solid, pour order 4): 172,57.5 173,57.5 173.5,58 173.5,59.5 167.5,65.5 164.5,65.5 164,65 166,63 166.5,62.75 167,62.5
NetC8_1 on Top Layer "TOP_LAYER_NONET_P-001" (solid, pour order 5): 171.5,58 165.75,52.25 165.75,51 166.75,50 173.5,56.75 173.5,59.5 173,60 171.5,58.5 171.5,57.75
NetC8_2 on Top Layer "TOP_LAYER_NONET_P-001" (solid, pour order 7): 167.25,60.25 168.25,59.25 168,59 168,58 165.5,58 161.75,61.75 160,62.75 160,62 157,65 158.25,66.25 159.75,66.25 165.75,60.25 166.75,60.25
NetC8_2 on Top Layer "TOP_LAYER_NONET_P-001" (solid, pour order 1): 157,74 160.5,74 160.5,62.5 152,54 150,56 157,63
GND on Bottom Layer "GND_L02_P014" (solid, pour order 14): 118.875,32.3 cw(c121.25,32.3) 121.25,34.675 134.1,34.675 cw(c134.125,32.275) 136.525,32.3 176.1,32.3 176.325,32.325 ccw(c176.325,33.8) 177.8,33.8 177.8,79.375 177.375,79.375 cw(c177.375,80.4) 176.35,80.4 164.425,80.4 164.4,80.375 cw(c164.4,81.65) 163.125,81.65 163.125,84.75 163.1,85.175 ccw(c161.675,85.175) 161.675,86.6 139.4,86.6 cw(c137.612,86.712) 137.5,84.925 123.2,84.925 cw(c123.2,86.6) 121.525,86.6 96.675,86.6 93.244,83.169 ccw(c95.04,81.373) 92.5,81.373 92.575,78.95 92.575,36.727 ccw(c95.115,36.727) 93.319,34.931 96.275,32.3
NetC8_1 on Bottom Layer "TOP_LAYER_NONET_P-001" (solid, pour order 3): 165.5,63.5 166.5,63.5 167,64 167,65.5 165,67.5 151.5,67.5 150.5,66.5 150.5,64.5 154,64.5 155,65.5 163.5,65.5
NetJ2_1 on Bottom Layer "TOP_LAYER_NONET_P-001" (solid, pour order 6): 172.75,68.5 172.75,62.75 174.75,60.75 174.75,54 173,52.25 173,50 176.25,50 176.25,67.25 174.75,68.75 173.25,68.75 173,68.5

## Keep-outs
Keep-Out Layer:
  the board outline again, w0.1

## Silkscreen, mask and mechanical layers (free items; w line width, h text height)
Top Overlay:
  region: 168.506,71.449 168.506,66.655 170.033,66.655 170.033,71.449
  region: 173.255,36.733 173.255,41.527 171.728,41.527 171.728,36.733
  region: 101.481,44.624 101.481,39.83 103.008,39.83 103.008,44.624
  region: 108.924,36.244 104.13,36.244 104.13,34.717 108.924,34.717
  region: 173.277,41.956 173.277,46.75 171.75,46.75 171.75,41.956
  rectangle: 157.551,79.181 162.345,80.708
  text "uX-power" at 160,76.5 h3
  text ">>L" at 172.5,73.15 h0.85
  text "12V" at 93.175,67.55 h0.85
  text ">>N" at 172.35,63.3 h0.85
  text "GND" at 93.225,45.075 h0.85
Bottom Overlay:
  text "uX-power" at 100.75,45.75 h3 r90
Mechanical 1:
  the board outline again, w0.1

## Text inside footprints (layer, text, board x,y; h text height)
C3: Top Overlay "+" at 98.45,72.45 h0.85 r270
C4: Top Overlay "+" at 100.9,71.7 h0.85 r90
C6: Top Overlay "+" at 100.425,52.1 h0.85 r90
C12: Top Overlay "+" at 112.1,42.5 h0.85